# Altium PCB S7CAS-PLEIADES-CARTE-FILLE_P02.PcbDoc (part 1 of 3)
Units mil, origin at the board's own origin, x right, y up, seen from the top; angles counter-clockwise.
Board outline 3010 x 2715 mil, 10 copper layers (SIGNAL_TOP, GND, INNER_SIGNAL_3, GND (Plane2), 3V3, SPLIT_POWER, GND (Plane5), INNER_SIGNAL_8, GND (Plane6), SIGNAL_BOTTOM), stack 56.5 mil thick; 168 components, 138 nets, 887 pads, 482 vias.
Unrouted connection lines stored in the file: 10.
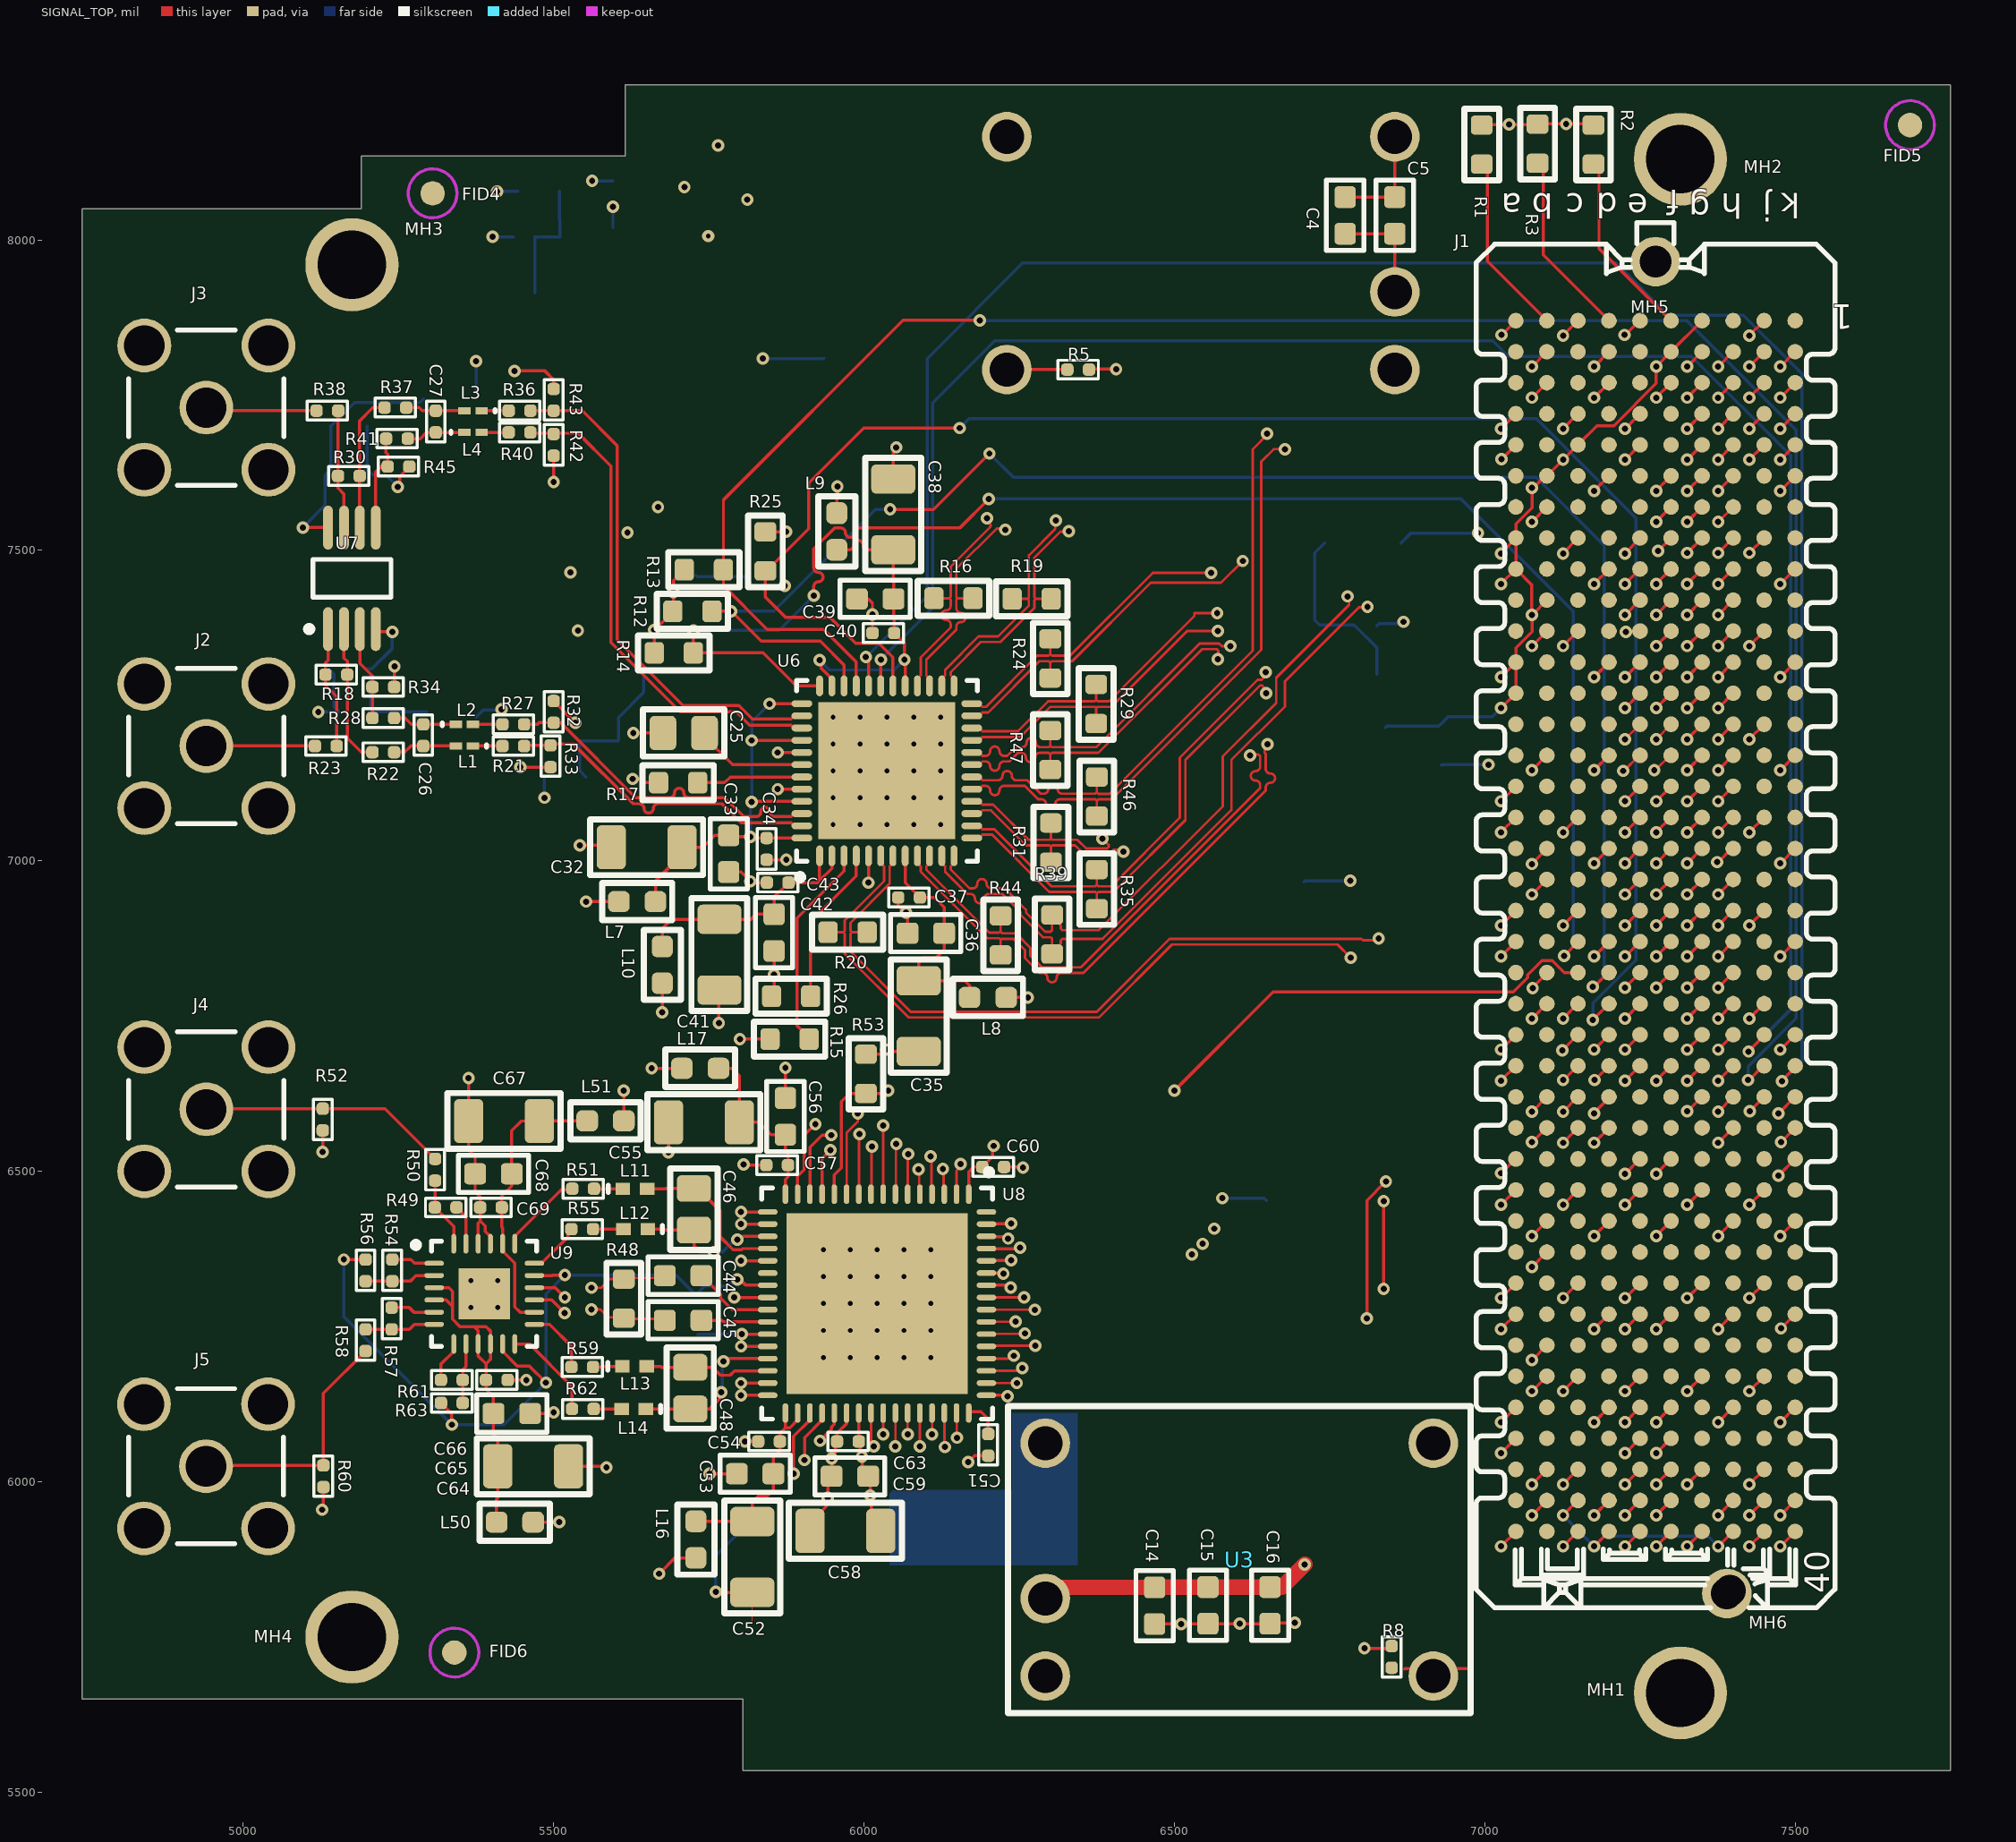
[diagram p0: SIGNAL_TOP view]
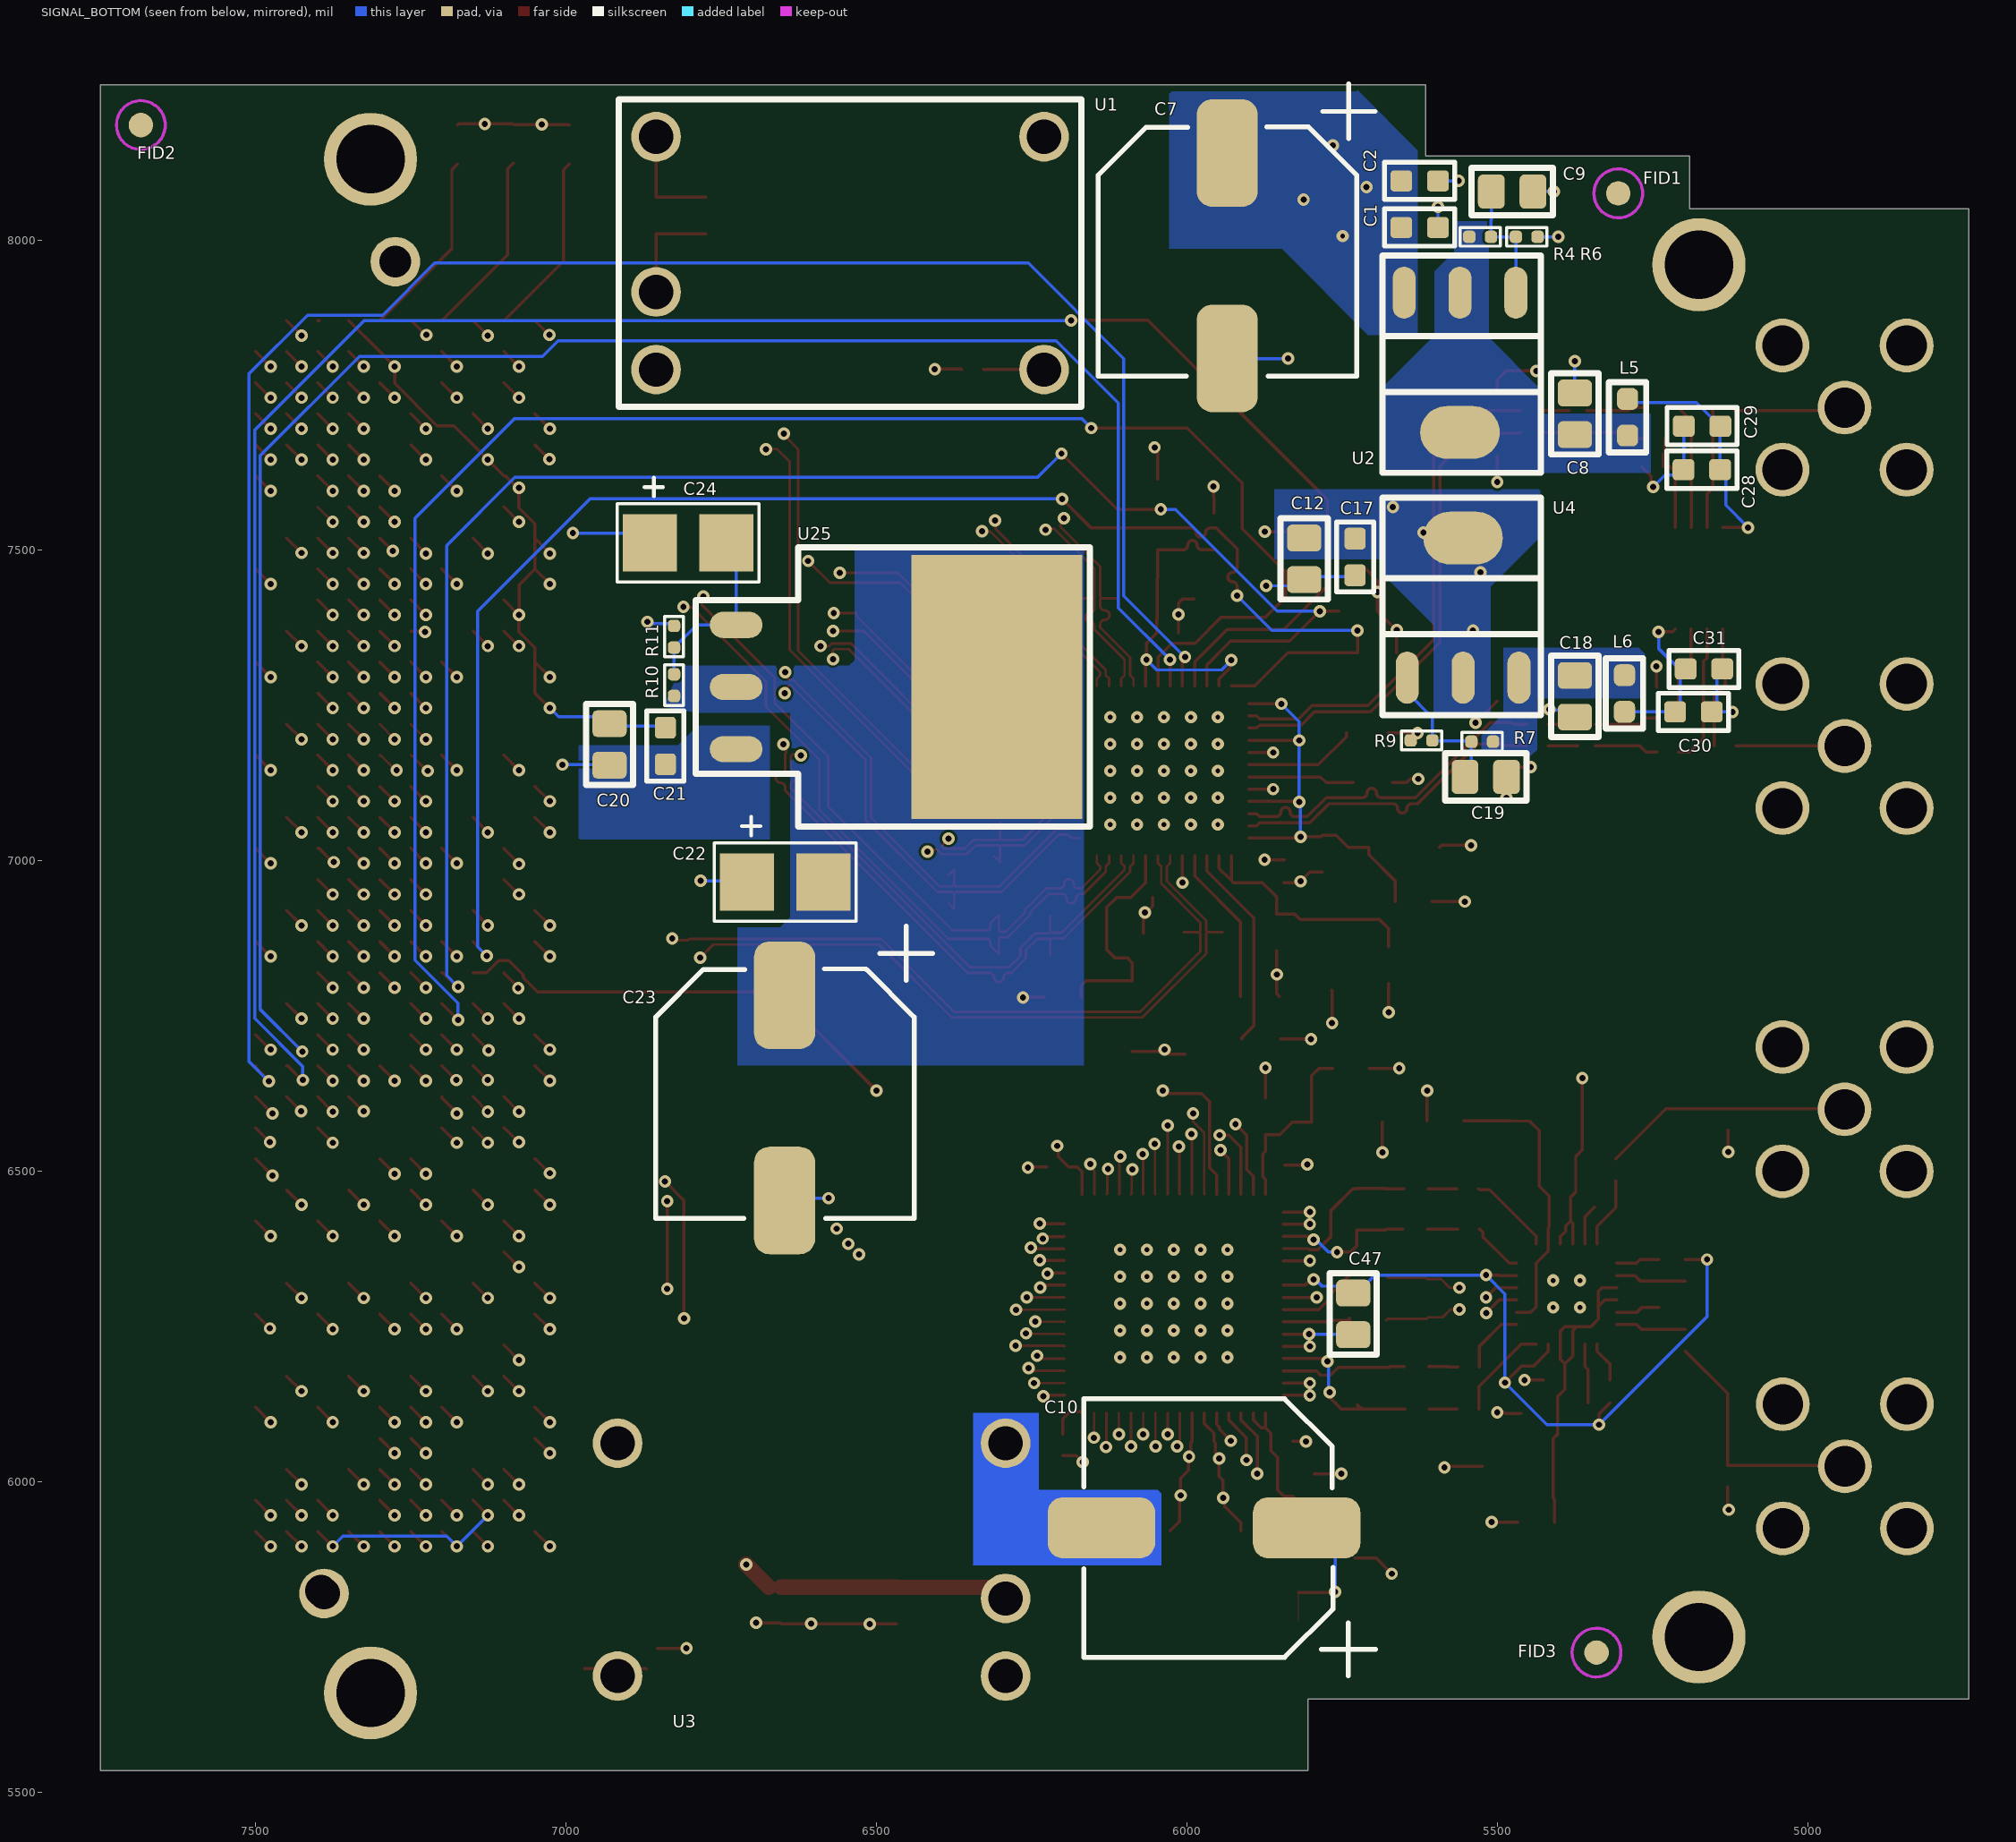
[diagram p1: SIGNAL_BOTTOM view, seen from below]
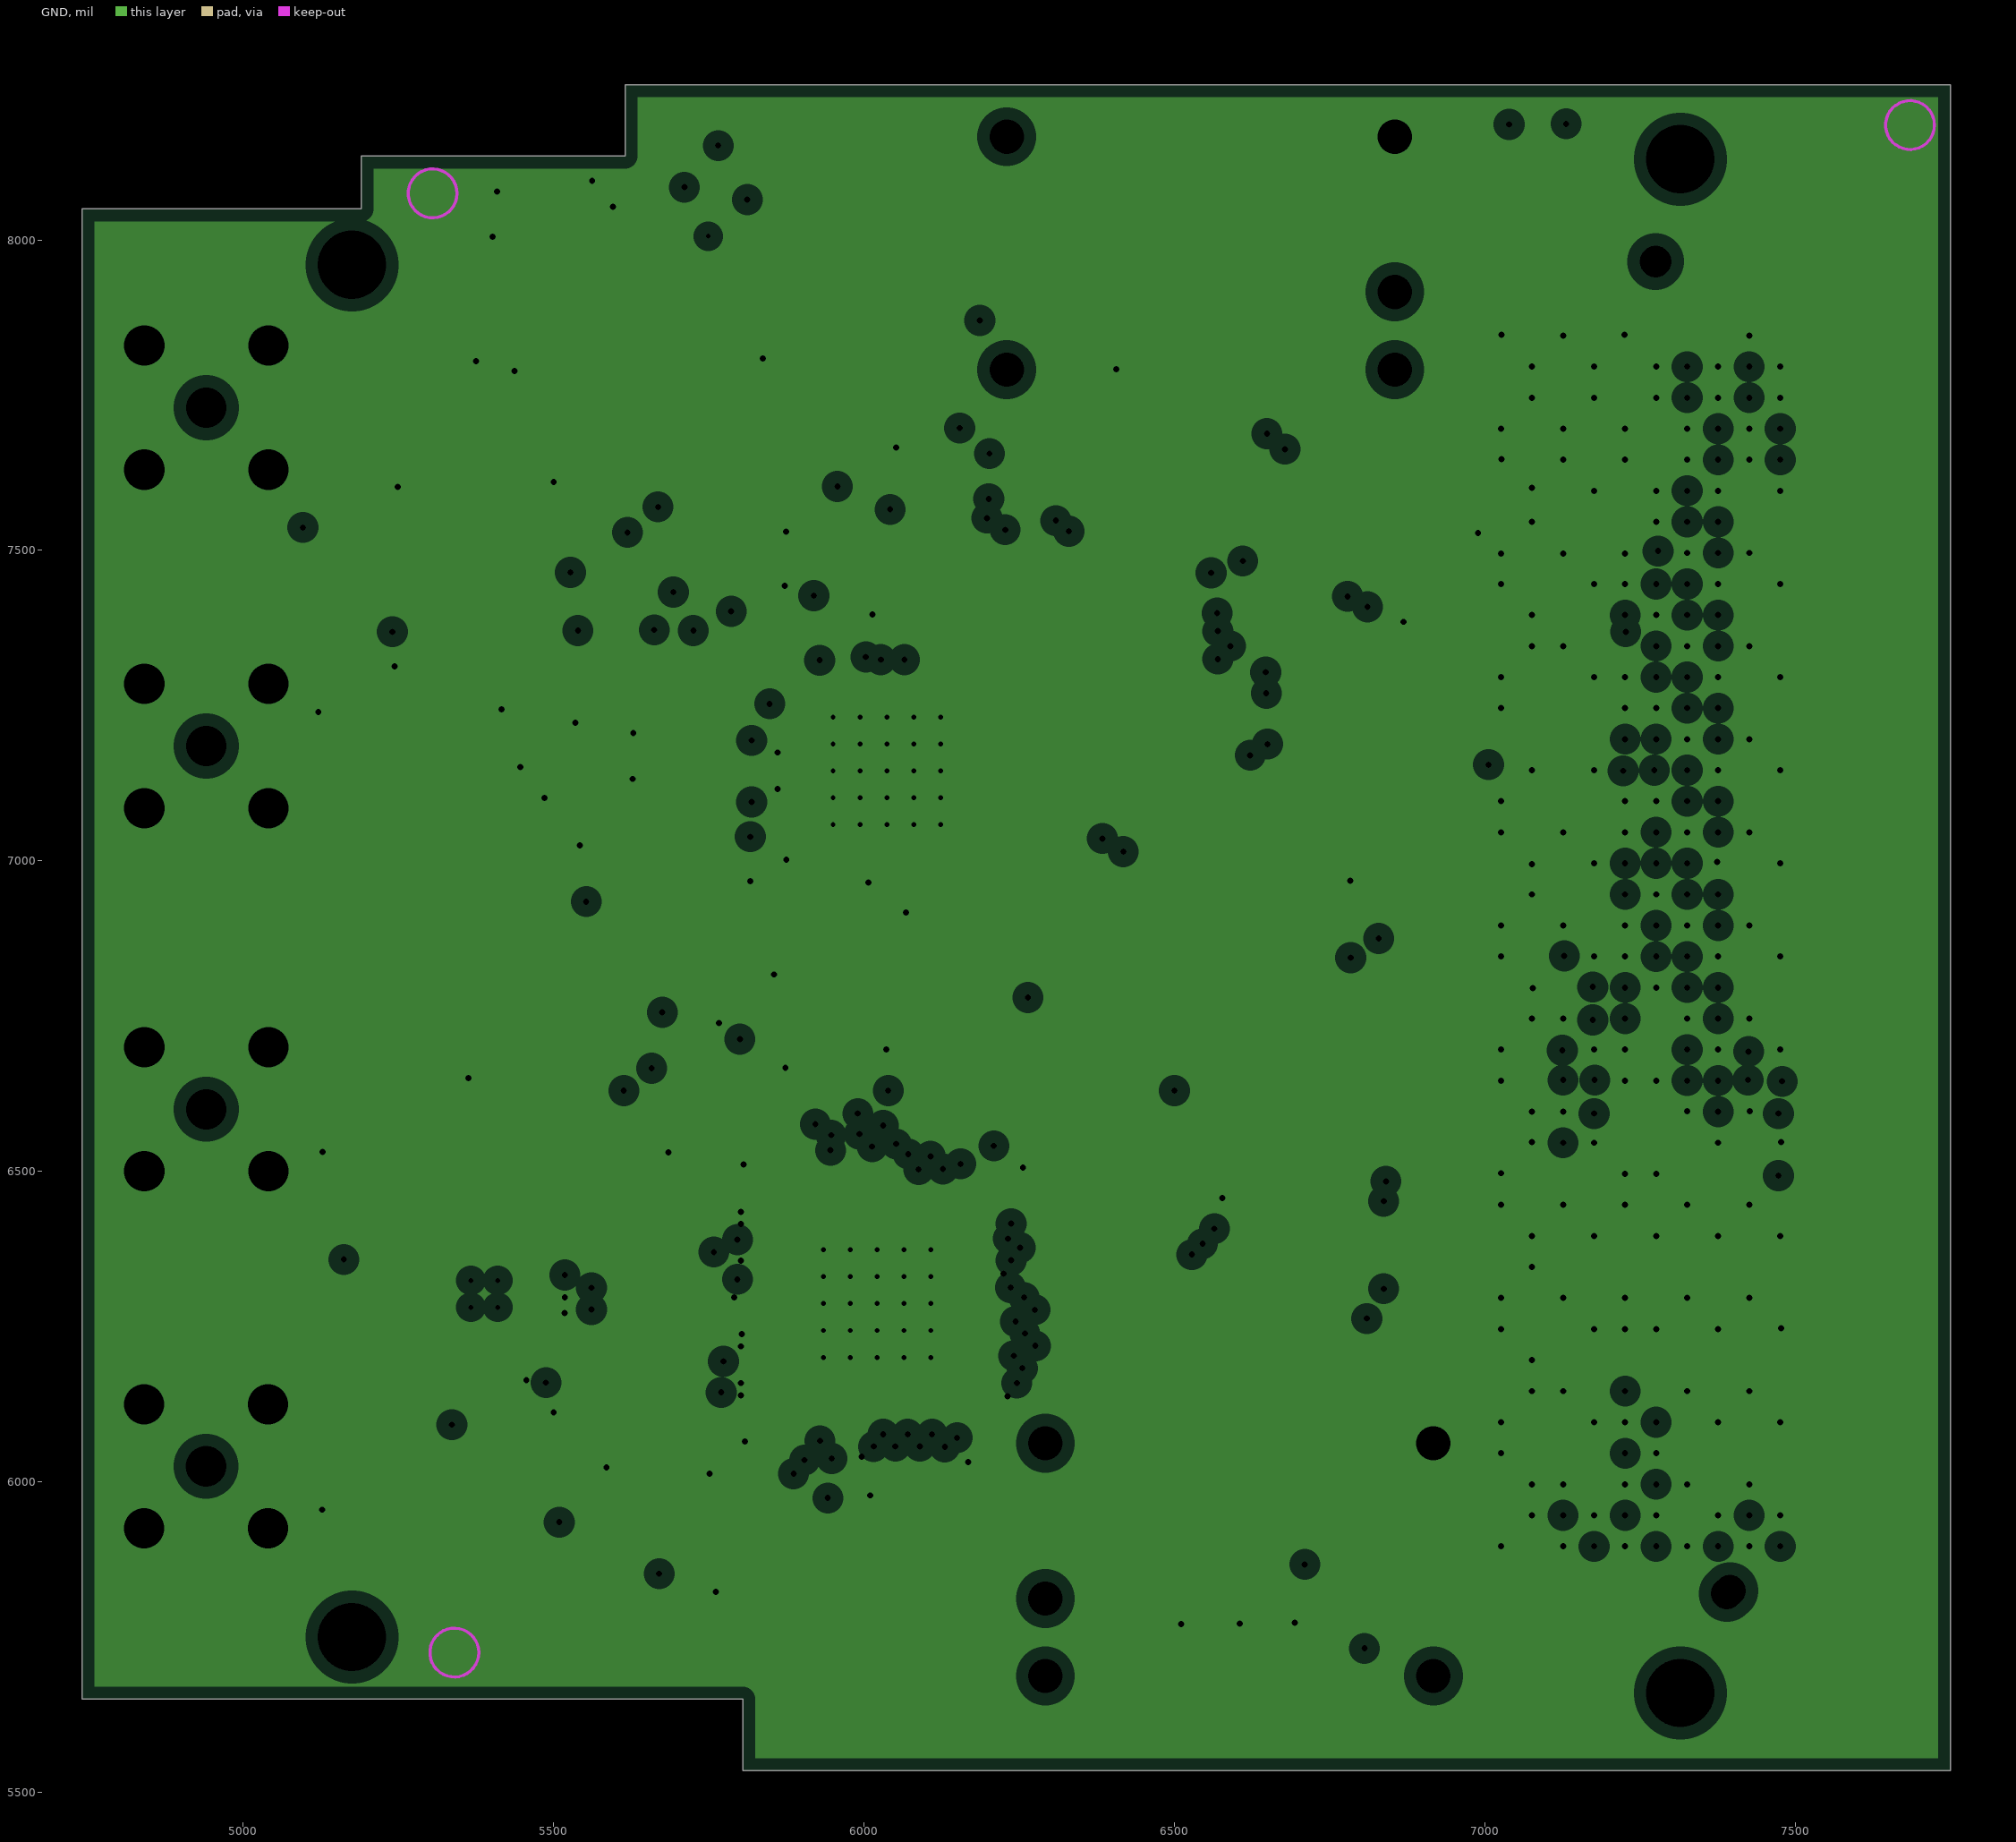
[diagram p2: GND, clearances drawn from the general rule]